# Altium PCB Slave.PcbDoc (part 8 of 10)
Units mm, origin at the board's own origin, x right, y up, seen from the top; angles counter-clockwise.
Board outline 380 x 63 mm, 4 copper layers (Top Copper, Signal Layer 1, Signal Layer 2, Bottom Copper), stack 1.586 mm thick; 259 components, 195 nets, 816 pads, 23336 vias.
Unrouted connection lines stored in the file: 47.
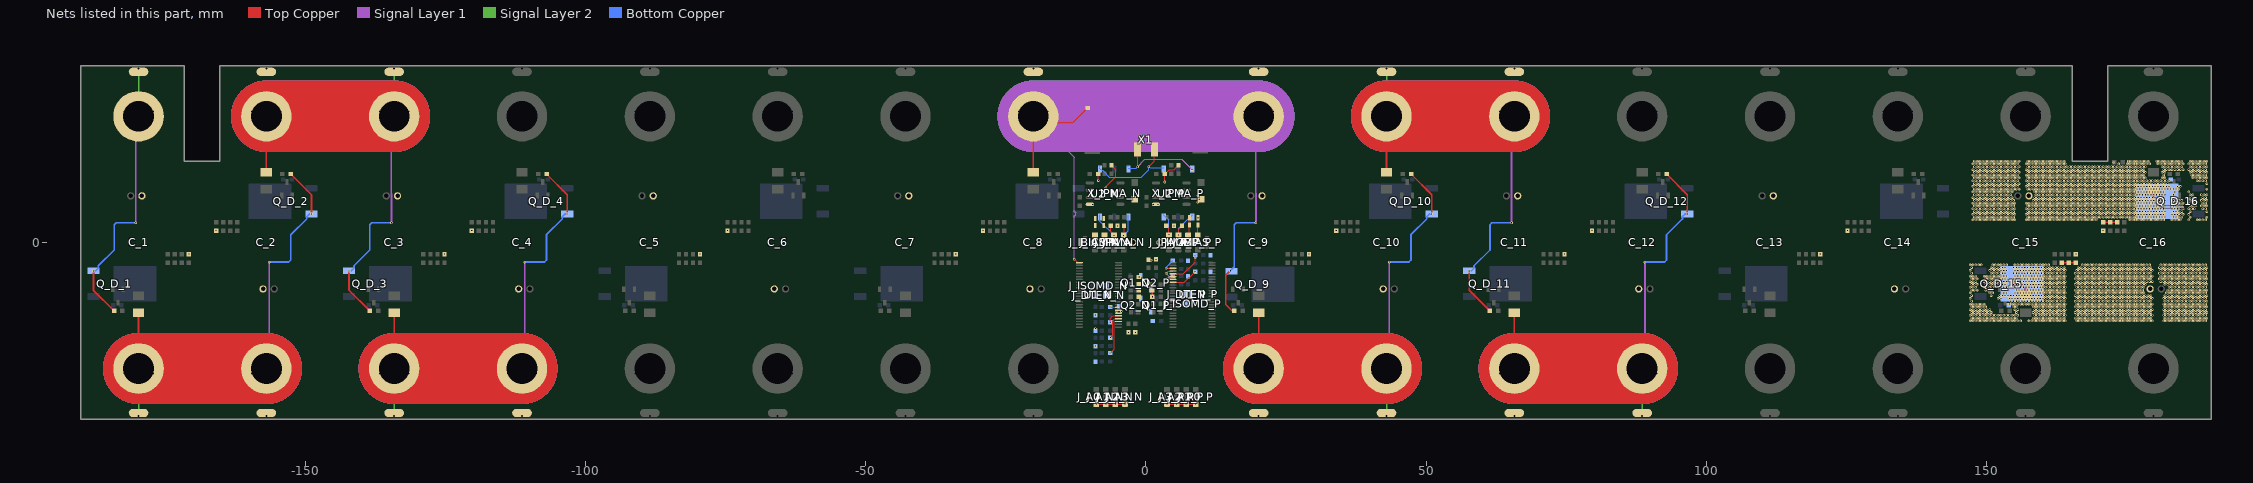
[diagram p10: the nets of this part, all layers, seen from the top]

## Via types
v1: diameter 0.45, hole 0.2, Top Copper to Bottom Copper, tented both sides, 23076 vias
v2: diameter 0.45, hole 0.2, Top Copper to Bottom Copper, 250 vias
v3: diameter 1.2, hole 0.8, Top Copper to Bottom Copper, 10 vias

## Nets (pads, with @x,y where several pads share a name; then routed paths per layer and width w, separated by ;. In a path a pad name is that pad's centre, name@x,y a point inside that pad or via, vN(x,y) a via of type N, cw(c..) or ccw(c..) an arc to the next point about the centre after c; other vN are vias at no path point) (continued)
F_15: C_V_15.2 F_V_15.2 PTC_15.2 Q_D_15.2 R_D_LED_15.2 R_Input_15.1 | length 3.9
  Top Copper w0.254: R_D_LED_15.2@163.35,-3.6 R_Input_15.1@164.6,-3.6 C_V_15.2@165.85,-3.6
  Top Copper w0.305: F_V_15.2@156.875,-9.48 v1@156.875,-8.1
  other v1: 146.999,-14 147.499,-14 147.999,-14 148.499,-14 148.999,-14 149.499,-14 149.999,-14 150.499,-14 150.999,-14 151.499,-14 151.999,-14 152.499,-14 152.999,-14 153.499,-14 153.999,-14 154.499,-14 154.999,-14 155.499,-14 155.999,-14 157.499,-14 157.999,-14 158.499,-14 158.999,-14 159.499,-14 159.999,-14 160.499,-14 160.999,-14 161.499,-14 161.999,-14 162.499,-14 162.999,-14 163.499,-14 163.999,-14 165.999,-14 166.499,-14 166.999,-14 167.499,-14 167.999,-14 168.499,-14 168.999,-14 169.499,-14 169.999,-14 170.499,-14 170.999,-14 171.499,-14 171.999,-14 172.499,-14 172.999,-14 173.499,-14 173.999,-14 174.499,-14 174.999,-14 175.499,-14 175.999,-14 176.499,-14 176.999,-14 177.499,-14 177.999,-14 178.499,-14 178.999,-14 179.499,-14 181.499,-14 181.999,-14 182.499,-14 182.999,-14 183.499,-14 183.999,-14 184.499,-14 184.999,-14 185.499,-14 185.999,-14 186.499,-14 186.999,-14 187.499,-14 187.999,-14 188.499,-14 188.999,-14 147.249,-13.5 147.749,-13.5 148.249,-13.5 148.749,-13.5 149.249,-13.5 149.749,-13.5 150.249,-13.5 150.749,-13.5 151.249,-13.5 151.749,-13.5 152.249,-13.5 152.749,-13.5 153.249,-13.5 153.749,-13.5 154.249,-13.5 154.749,-13.5 155.249,-13.5 158.249,-13.5 158.749,-13.5 159.249,-13.5 159.749,-13.5 160.249,-13.5 160.749,-13.5 161.249,-13.5 161.749,-13.5 162.249,-13.5 162.749,-13.5 163.249,-13.5 163.749,-13.5 165.749,-13.5 166.249,-13.5 166.749,-13.5 167.249,-13.5 167.749,-13.5 168.249,-13.5 168.749,-13.5 169.249,-13.5 169.749,-13.5 170.249,-13.5 170.749,-13.5 171.249,-13.5 171.749,-13.5 172.249,-13.5 172.749,-13.5 173.249,-13.5 173.749,-13.5 174.249,-13.5 174.749,-13.5 175.249,-13.5 175.749,-13.5 176.249,-13.5 176.749,-13.5 177.249,-13.5 177.749,-13.5 178.249,-13.5 178.749,-13.5 179.249,-13.5 181.749,-13.5 182.249,-13.5 182.749,-13.5 183.249,-13.5 183.749,-13.5 184.249,-13.5 184.749,-13.5 185.249,-13.5 185.749,-13.5 186.249,-13.5 186.749,-13.5 187.249,-13.5 187.749,-13.5 188.249,-13.5 188.749,-13.5 189.249,-13.5 146.999,-13 147.499,-13 147.999,-13 148.499,-13 148.999,-13 149.499,-13 149.999,-13 150.499,-13 150.999,-13 151.499,-13 151.999,-13 152.499,-13 152.999,-13 153.499,-13 153.999,-13 154.499,-13 154.999,-13 155.499,-13 158.499,-13 158.999,-13 159.499,-13 159.999,-13 160.499,-13 160.999,-13 161.499,-13 161.999,-13 162.499,-13 162.999,-13 163.499,-13 163.999,-13 165.999,-13 166.499,-13 166.999,-13 167.499,-13 167.999,-13 168.499,-13 168.999,-13 169.499,-13 169.999,-13 170.499,-13 170.999,-13 171.499,-13 171.999,-13 172.499,-13 172.999,-13 173.499,-13 173.999,-13 174.499,-13 174.999,-13 175.499,-13 175.999,-13 176.499,-13 176.999,-13 177.499,-13 177.999,-13 178.499,-13 178.999,-13 179.499,-13 181.499,-13 181.999,-13 182.499,-13 182.999,-13 183.499,-13 183.999,-13 184.499,-13 184.999,-13 185.499,-13 185.999,-13 186.499,-13 186.999,-13 187.499,-13 187.999,-13 188.499,-13 188.999,-13 147.249,-12.5 147.749,-12.5 148.249,-12.5 148.749,-12.5 149.249,-12.5 149.749,-12.5 150.249,-12.5 150.749,-12.5 155.249,-12.5 158.249,-12.5 158.749,-12.5 159.249,-12.5 159.749,-12.5 160.249,-12.5 160.749,-12.5 161.249,-12.5 161.749,-12.5 162.249,-12.5 162.749,-12.5 163.249,-12.5 163.749,-12.5 165.749,-12.5 166.249,-12.5 166.749,-12.5 167.249,-12.5 167.749,-12.5 168.249,-12.5 168.749,-12.5 169.249,-12.5 169.749,-12.5 170.249,-12.5 170.749,-12.5 171.249,-12.5 171.749,-12.5 172.249,-12.5 172.749,-12.5 173.249,-12.5 173.749,-12.5 174.249,-12.5 174.749,-12.5 175.249,-12.5 175.749,-12.5 176.249,-12.5 176.749,-12.5 177.249,-12.5 177.749,-12.5 178.249,-12.5 178.749,-12.5 179.249,-12.5 181.749,-12.5 182.249,-12.5 182.749,-12.5 183.249,-12.5 183.749,-12.5 184.249,-12.5 184.749,-12.5 185.249,-12.5 185.749,-12.5 186.249,-12.5 186.749,-12.5 187.249,-12.5 187.749,-12.5 188.249,-12.5 188.749,-12.5 189.249,-12.5 146.999,-12 147.499,-12 147.999,-12 148.499,-12 148.999,-12 149.499,-12 149.999,-12 150.499,-12 154.999,-12 155.499,-12 158.499,-12 158.999,-12 159.499,-12 159.999,-12 160.499,-12 160.999,-12 161.499,-12 161.999,-12 162.499,-12 162.999,-12 163.499,-12 163.999,-12 165.999,-12 166.499,-12 166.999,-12 167.499,-12 167.999,-12 168.499,-12 168.999,-12 169.499,-12 169.999,-12 170.499,-12 170.999,-12 171.499,-12 171.999,-12 172.499,-12 172.999,-12 173.499,-12 173.999,-12 174.499,-12 174.999,-12 175.499,-12 175.999,-12 176.499,-12 176.999,-12 177.499,-12 177.999,-12 178.499,-12 178.999,-12 179.499,-12 181.499,-12 181.999,-12 182.499,-12 182.999,-12 183.499,-12 183.999,-12 184.499,-12 184.999,-12 185.499,-12 185.999,-12 186.499,-12 186.999,-12 187.499,-12 187.999,-12 188.499,-12 188.999,-12 147.249,-11.5 147.749,-11.5 148.249,-11.5 148.749,-11.5 149.249,-11.5 149.749,-11.5 154.749,-11.5 155.249,-11.5 158.249,-11.5 158.749,-11.5 159.249,-11.5 159.749,-11.5 160.249,-11.5 160.749,-11.5 161.249,-11.5 161.749,-11.5 162.249,-11.5 162.749,-11.5 163.249,-11.5 163.749,-11.5 165.749,-11.5 166.249,-11.5 166.749,-11.5 167.249,-11.5 167.749,-11.5 168.249,-11.5 168.749,-11.5 169.249,-11.5 169.749,-11.5 170.249,-11.5 170.749,-11.5 171.249,-11.5 171.749,-11.5 172.249,-11.5 172.749,-11.5 173.249,-11.5 173.749,-11.5 174.249,-11.5 174.749,-11.5 175.249,-11.5 175.749,-11.5 176.249,-11.5 176.749,-11.5 177.249,-11.5 177.749,-11.5 178.249,-11.5 178.749,-11.5 179.249,-11.5 181.749,-11.5 182.249,-11.5 182.749,-11.5 183.249,-11.5 183.749,-11.5 184.249,-11.5 184.749,-11.5 185.249,-11.5 185.749,-11.5 186.249,-11.5 186.749,-11.5 187.249,-11.5 187.749,-11.5 188.249,-11.5 188.749,-11.5 189.249,-11.5 146.999,-11 147.499,-11 147.999,-11 148.499,-11 148.999,-11 149.499,-11 153.999,-11 154.499,-11 154.999,-11 155.499,-11 155.999,-11 156.499,-11 156.999,-11 157.499,-11 157.999,-11 158.499,-11 158.999,-11 159.499,-11 159.999,-11 160.499,-11 160.999,-11 161.499,-11 161.999,-11 162.499,-11 162.999,-11 163.499,-11 163.999,-11 165.999,-11 166.499,-11 166.999,-11 167.499,-11 167.999,-11 168.499,-11 168.999,-11 169.499,-11 169.999,-11 170.499,-11 170.999,-11 171.499,-11 171.999,-11 172.499,-11 172.999,-11 173.499,-11 173.999,-11 174.499,-11 174.999,-11 175.499,-11 175.999,-11 176.499,-11 176.999,-11 177.499,-11 177.999,-11 178.499,-11 178.999,-11 179.499,-11 181.499,-11 181.999,-11 182.499,-11 182.999,-11 183.499,-11 183.999,-11 184.499,-11 184.999,-11 185.499,-11 185.999,-11 186.499,-11 186.999,-11 187.499,-11 187.999,-11 188.499,-11 188.999,-11 147.249,-10.5 154.249,-10.5 154.749,-10.5 155.249,-10.5 155.749,-10.5 156.249,-10.5 156.749,-10.5 157.249,-10.5 157.749,-10.5 158.249,-10.5 158.749,-10.5 159.249,-10.5 159.749,-10.5 160.249,-10.5 160.749,-10.5 161.249,-10.5 161.749,-10.5 162.249,-10.5 162.749,-10.5 163.249,-10.5 163.749,-10.5 165.749,-10.5 166.249,-10.5 166.749,-10.5 167.249,-10.5 167.749,-10.5 168.249,-10.5 168.749,-10.5 169.249,-10.5 169.749,-10.5 170.249,-10.5 170.749,-10.5 171.249,-10.5 171.749,-10.5 172.249,-10.5 172.749,-10.5 173.249,-10.5 173.749,-10.5 174.249,-10.5 174.749,-10.5 175.249,-10.5 175.749,-10.5 176.249,-10.5 176.749,-10.5 177.249,-10.5 177.749,-10.5 178.249,-10.5 178.749,-10.5 179.249,-10.5 181.749,-10.5 182.249,-10.5 182.749,-10.5 183.249,-10.5 183.749,-10.5 184.249,-10.5 184.749,-10.5 185.249,-10.5 185.749,-10.5 186.249,-10.5 186.749,-10.5 187.249,-10.5 187.749,-10.5 188.249,-10.5 188.749,-10.5 189.249,-10.5 146.999,-10 151.999,-10 152.499,-10 153.999,-10 154.499,-10 154.999,-10 155.499,-10 155.999,-10 156.499,-10 156.999,-10 157.499,-10 157.999,-10 158.499,-10 158.999,-10 159.499,-10 159.999,-10 160.499,-10 160.999,-10 161.499,-10 161.999,-10 162.499,-10 162.999,-10 163.499,-10 163.999,-10 165.999,-10 166.499,-10 166.999,-10 167.499,-10 167.999,-10 168.499,-10 168.999,-10 169.499,-10 169.999,-10 170.499,-10 170.999,-10 171.499,-10 171.999,-10 172.499,-10 172.999,-10 173.499,-10 173.999,-10 174.499,-10 174.999,-10 175.499,-10 175.999,-10 176.499,-10 176.999,-10 177.499,-10 177.999,-10 178.499,-10 178.999,-10 179.499,-10 181.499,-10 181.999,-10 182.499,-10 182.999,-10 183.499,-10 183.999,-10 184.499,-10 184.999,-10 185.499,-10 185.999,-10 186.499,-10 186.999,-10 187.499,-10 187.999,-10 188.499,-10 188.999,-10 147.249,-9.5 150.749,-9.5 152.249,-9.5 152.749,-9.5 153.249,-9.5 153.749,-9.5 154.249,-9.5 154.749,-9.5 155.249,-9.5 155.749,-9.5 156.249,-9.5 156.749,-9.5 157.249,-9.5 157.749,-9.5 158.249,-9.5 158.749,-9.5 159.249,-9.5 159.749,-9.5 160.249,-9.5 160.749,-9.5 161.249,-9.5 161.749,-9.5 162.249,-9.5 162.749,-9.5 163.249,-9.5 163.749,-9.5 165.749,-9.5 166.249,-9.5 166.749,-9.5 167.249,-9.5 167.749,-9.5 168.249,-9.5 168.749,-9.5 169.249,-9.5 169.749,-9.5 170.249,-9.5 170.749,-9.5 171.249,-9.5 171.749,-9.5 172.249,-9.5 172.749,-9.5 173.249,-9.5 173.749,-9.5 174.249,-9.5 174.749,-9.5 175.249,-9.5 175.749,-9.5 176.249,-9.5 176.749,-9.5 177.249,-9.5 177.749,-9.5 178.249,-9.5 178.749,-9.5 179.249,-9.5 181.749,-9.5 182.249,-9.5 182.749,-9.5 183.249,-9.5 183.749,-9.5 184.249,-9.5 184.749,-9.5 185.249,-9.5 185.749,-9.5 186.249,-9.5 186.749,-9.5 187.249,-9.5 187.749,-9.5 188.249,-9.5 188.749,-9.5 189.249,-9.5 146.999,-9 150.499,-9 150.999,-9 152.999,-9 153.499,-9 154.999,-9 155.499,-9 155.999,-9 156.499,-9 156.999,-9 157.499,-9 157.999,-9 158.499,-9 158.999,-9 159.499,-9 159.999,-9 160.499,-9 160.999,-9 161.499,-9 161.999,-9 162.499,-9 162.999,-9 163.499,-9 163.999,-9 165.999,-9 166.499,-9 166.999,-9 167.499,-9 167.999,-9 168.499,-9 168.999,-9 169.499,-9 169.999,-9 170.499,-9 170.999,-9 171.499,-9 171.999,-9 172.499,-9 172.999,-9 173.499,-9 173.999,-9 174.499,-9 174.999,-9 175.499,-9 175.999,-9 176.499,-9 176.999,-9 177.499,-9 177.999,-9 181.999,-9 182.499,-9 182.999,-9 183.499,-9 183.999,-9 184.499,-9 184.999,-9 185.499,-9 185.999,-9 186.499,-9 186.999,-9 187.499,-9 187.999,-9 188.499,-9 188.999,-9 147.249,-8.5 147.749,-8.5 148.249,-8.5 149.749,-8.5 150.249,-8.5 150.749,-8.5 153.249,-8.5 155.249,-8.5 155.749,-8.5 156.249,-8.5 156.749,-8.5 157.249,-8.5 157.749,-8.5 158.249,-8.5 158.749,-8.5 159.249,-8.5 159.749,-8.5 160.249,-8.5 160.749,-8.5 161.249,-8.5 161.749,-8.5 162.249,-8.5 162.749,-8.5 163.249,-8.5 163.749,-8.5 165.749,-8.5 166.249,-8.5 166.749,-8.5 167.249,-8.5 167.749,-8.5 168.249,-8.5 168.749,-8.5 169.249,-8.5 169.749,-8.5 170.249,-8.5 170.749,-8.5 171.249,-8.5 171.749,-8.5 172.249,-8.5 172.749,-8.5 173.249,-8.5 173.749,-8.5 174.249,-8.5 174.749,-8.5 175.249,-8.5 175.749,-8.5 176.249,-8.5 176.749,-8.5 177.249,-8.5 177.749,-8.5 182.249,-8.5 182.749,-8.5 183.249,-8.5 183.749,-8.5 184.249,-8.5 184.749,-8.5 185.249,-8.5 185.749,-8.5 186.249,-8.5 186.749,-8.5 187.249,-8.5 187.749,-8.5 188.249,-8.5 188.749,-8.5 189.249,-8.5 146.999,-8 147.499,-8 147.999,-8 149.499,-8 149.999,-8 150.499,-8 150.999,-8 152.999,-8 153.499,-8 154.999,-8 155.499,-8 155.999,-8 156.499,-8 156.999,-8 157.499,-8 157.999,-8 158.499,-8 158.999,-8 159.499,-8 159.999,-8 160.499,-8 160.999,-8 161.499,-8 161.999,-8 162.499,-8 162.999,-8 163.499,-8 163.999,-8 165.999,-8 166.499,-8 166.999,-8 167.499,-8 167.999,-8 168.499,-8 168.999,-8 169.499,-8 169.999,-8 170.499,-8 170.999,-8 171.499,-8 171.999,-8 172.499,-8 172.999,-8 173.499,-8 173.999,-8 174.499,-8 174.999,-8 175.499,-8 175.999,-8 176.499,-8 176.999,-8 177.499,-8 177.999,-8 182.499,-8 182.999,-8 183.499,-8 183.999,-8 184.499,-8 184.999,-8 185.499,-8 185.999,-8 186.499,-8 186.999,-8 187.499,-8 187.999,-8 188.499,-8 188.999,-8 147.249,-7.5 147.749,-7.5 148.249,-7.5 149.749,-7.5 150.249,-7.5 150.749,-7.5 151.249,-7.5 151.749,-7.5 152.249,-7.5 152.749,-7.5 153.249,-7.5 154.749,-7.5 155.249,-7.5 155.749,-7.5 156.249,-7.5 156.749,-7.5 157.249,-7.5 157.749,-7.5 158.249,-7.5 158.749,-7.5 159.249,-7.5 159.749,-7.5 160.249,-7.5 160.749,-7.5 161.249,-7.5 161.749,-7.5 162.249,-7.5 162.749,-7.5 163.249,-7.5 163.749,-7.5 165.749,-7.5 166.249,-7.5 166.749,-7.5 167.249,-7.5 167.749,-7.5 168.249,-7.5 168.749,-7.5 169.249,-7.5 169.749,-7.5 170.249,-7.5 170.749,-7.5 171.249,-7.5 171.749,-7.5 172.249,-7.5 172.749,-7.5 173.249,-7.5 173.749,-7.5 174.249,-7.5 174.749,-7.5 175.249,-7.5 175.749,-7.5 176.249,-7.5 176.749,-7.5 177.249,-7.5 177.749,-7.5 178.249,-7.5 181.749,-7.5 182.249,-7.5 182.749,-7.5 183.249,-7.5 183.749,-7.5 184.249,-7.5 184.749,-7.5 185.249,-7.5 185.749,-7.5 186.249,-7.5 186.749,-7.5 187.249,-7.5 187.749,-7.5 188.249,-7.5 188.749,-7.5 189.249,-7.5 146.999,-7 147.499,-7 147.999,-7 149.499,-7 149.999,-7 150.499,-7 150.999,-7 151.499,-7 151.999,-7 152.499,-7 152.999,-7 153.499,-7 154.999,-7 155.499,-7 155.999,-7 156.499,-7 156.999,-7 157.499,-7 157.999,-7 158.499,-7 158.999,-7 159.499,-7 159.999,-7 160.499,-7 160.999,-7 161.499,-7 161.999,-7 162.499,-7 162.999,-7 163.499,-7 163.999,-7 165.999,-7 166.499,-7 166.999,-7 167.499,-7 167.999,-7 168.499,-7 168.999,-7 169.499,-7 169.999,-7 170.499,-7 170.999,-7 171.499,-7 171.999,-7 172.499,-7 172.999,-7 173.499,-7 173.999,-7 174.499,-7 174.999,-7 175.499,-7 175.999,-7 176.499,-7 176.999,-7 177.499,-7 177.999,-7 178.499,-7 178.999,-7 179.499,-7 180.999,-7 181.499,-7 181.999,-7 182.499,-7 182.999,-7 183.499,-7 183.999,-7 184.499,-7 184.999,-7 185.499,-7 185.999,-7 186.499,-7 186.999,-7 187.499,-7 187.999,-7 188.499,-7 188.999,-7 147.249,-6.5 147.749,-6.5 148.249,-6.5 149.749,-6.5 150.249,-6.5 150.749,-6.5 151.249,-6.5 151.749,-6.5 152.249,-6.5 152.749,-6.5 153.249,-6.5 154.749,-6.5 155.249,-6.5 155.749,-6.5 156.249,-6.5 156.749,-6.5 157.249,-6.5 157.749,-6.5 158.249,-6.5 158.749,-6.5 159.249,-6.5 159.749,-6.5 160.249,-6.5 160.749,-6.5 161.249,-6.5 161.749,-6.5 162.249,-6.5 162.749,-6.5 163.249,-6.5 163.749,-6.5 165.749,-6.5 166.249,-6.5 166.749,-6.5 167.249,-6.5 167.749,-6.5 168.249,-6.5 168.749,-6.5 169.249,-6.5 169.749,-6.5 170.249,-6.5 170.749,-6.5 171.249,-6.5 171.749,-6.5 172.249,-6.5 172.749,-6.5 173.249,-6.5 173.749,-6.5 174.249,-6.5 174.749,-6.5 175.249,-6.5 175.749,-6.5 176.249,-6.5 176.749,-6.5 177.249,-6.5 177.749,-6.5 178.249,-6.5 178.749,-6.5 179.249,-6.5 180.749,-6.5 181.249,-6.5 181.749,-6.5 182.249,-6.5 182.749,-6.5 183.249,-6.5 183.749,-6.5 184.249,-6.5 184.749,-6.5 185.249,-6.5 185.749,-6.5 186.249,-6.5 186.749,-6.5 187.249,-6.5 187.749,-6.5 188.249,-6.5 188.749,-6.5 189.249,-6.5 146.999,-6 147.499,-6 147.999,-6 149.499,-6 149.999,-6 150.499,-6 150.999,-6 151.499,-6 151.999,-6 152.499,-6 152.999,-6 153.499,-6 154.999,-6 155.499,-6 155.999,-6 156.499,-6 156.999,-6 157.499,-6 157.999,-6 158.499,-6 158.999,-6 159.499,-6 159.999,-6 160.499,-6 160.999,-6 161.499,-6 161.999,-6 162.499,-6 162.999,-6 163.499,-6 163.999,-6 165.999,-6 166.499,-6 166.999,-6 167.499,-6 167.999,-6 168.499,-6 168.999,-6 169.499,-6 169.999,-6 170.499,-6 170.999,-6 171.499,-6 171.999,-6 172.499,-6 172.999,-6 173.499,-6 173.999,-6 174.499,-6 174.999,-6 175.499,-6 175.999,-6 176.499,-6 176.999,-6 177.499,-6 177.999,-6 178.499,-6 178.999,-6 179.499,-6 180.999,-6 181.499,-6 181.999,-6 182.499,-6 182.999,-6 183.499,-6 183.999,-6 184.499,-6 184.999,-6 185.499,-6 185.999,-6 186.499,-6 186.999,-6 187.499,-6 187.999,-6 188.499,-6 188.999,-6 147.249,-5.5 150.749,-5.5 151.249,-5.5 151.749,-5.5 152.249,-5.5 152.749,-5.5 153.249,-5.5 154.749,-5.5 155.249,-5.5 155.749,-5.5 156.249,-5.5 156.749,-5.5 157.249,-5.5 157.749,-5.5 158.249,-5.5 158.749,-5.5 159.249,-5.5 159.749,-5.5 160.249,-5.5 160.749,-5.5 161.249,-5.5 161.749,-5.5 162.249,-5.5 162.749,-5.5 163.249,-5.5 163.749,-5.5 165.749,-5.5 166.249,-5.5 166.749,-5.5 167.249,-5.5 167.749,-5.5 168.249,-5.5 168.749,-5.5 169.249,-5.5 169.749,-5.5 170.249,-5.5 170.749,-5.5 171.249,-5.5 171.749,-5.5 172.249,-5.5 172.749,-5.5 173.249,-5.5 173.749,-5.5 174.249,-5.5 174.749,-5.5 175.249,-5.5 175.749,-5.5 176.249,-5.5 176.749,-5.5 177.249,-5.5 177.749,-5.5 178.249,-5.5 178.749,-5.5 179.249,-5.5 180.749,-5.5 181.249,-5.5 181.749,-5.5 182.249,-5.5 182.749,-5.5 183.249,-5.5 183.749,-5.5 184.249,-5.5 184.749,-5.5 185.249,-5.5 185.749,-5.5 186.249,-5.5 186.749,-5.5 187.249,-5.5 187.749,-5.5 188.249,-5.5 188.749,-5.5 189.249,-5.5 146.999,-5 150.499,-5 150.999,-5 151.499,-5 151.999,-5 152.499,-5 152.999,-5 153.499,-5 154.999,-5 155.499,-5 155.999,-5 156.499,-5 156.999,-5 157.499,-5 157.999,-5 158.499,-5 158.999,-5 159.499,-5 159.999,-5 160.499,-5 160.999,-5 161.499,-5 161.999,-5 162.499,-5 162.999,-5 163.499,-5 163.999,-5 165.999,-5 166.499,-5 166.999,-5 167.499,-5 167.999,-5 168.499,-5 168.999,-5 169.499,-5 169.999,-5 170.499,-5 170.999,-5 171.499,-5 171.999,-5 172.499,-5 172.999,-5 173.499,-5 173.999,-5 174.499,-5 174.999,-5 175.499,-5 175.999,-5 176.499,-5 176.999,-5 177.499,-5 177.999,-5 178.499,-5 178.999,-5 179.499,-5 180.999,-5 181.499,-5 181.999,-5 182.499,-5 182.999,-5 183.499,-5 183.999,-5 184.499,-5 184.999,-5 185.499,-5 185.999,-5 186.499,-5 186.999,-5 187.499,-5 187.999,-5 188.499,-5 188.999,-5 147.249,-4.5 150.749,-4.5 151.249,-4.5 151.749,-4.5 152.249,-4.5 152.749,-4.5 153.249,-4.5 154.749,-4.5 155.249,-4.5 155.749,-4.5 156.249,-4.5 156.749,-4.5 157.249,-4.5 157.749,-4.5 158.249,-4.5 158.749,-4.5 159.249,-4.5 159.749,-4.5 160.249,-4.5 160.749,-4.5 161.249,-4.5 161.749,-4.5 162.249,-4.5 162.749,-4.5 163.249,-4.5 163.749,-4.5 166.249,-4.5 166.749,-4.5 167.249,-4.5 167.749,-4.5 168.249,-4.5 168.749,-4.5 169.249,-4.5 169.749,-4.5 170.249,-4.5 170.749,-4.5 171.249,-4.5 171.749,-4.5 172.249,-4.5 172.749,-4.5 173.249,-4.5 173.749,-4.5 174.249,-4.5 174.749,-4.5 175.249,-4.5 175.749,-4.5 176.249,-4.5 176.749,-4.5 177.249,-4.5 177.749,-4.5 178.249,-4.5 178.749,-4.5 179.249,-4.5 180.749,-4.5 181.249,-4.5 181.749,-4.5 182.249,-4.5 182.749,-4.5 183.249,-4.5 183.749,-4.5 184.249,-4.5 184.749,-4.5 185.249,-4.5 185.749,-4.5 186.249,-4.5 186.749,-4.5 187.249,-4.5 187.749,-4.5 188.249,-4.5 188.749,-4.5 189.249,-4.5 146.999,-4 147.499,-4 147.999,-4 148.499,-4 148.999,-4 150.999,-4 151.499,-4 151.999,-4 152.499,-4 152.999,-4 153.499,-4 154.999,-4 155.499,-4 155.999,-4 156.499,-4 156.999,-4 157.499,-4 157.999,-4 158.499,-4 158.999,-4 159.499,-4 159.999,-4 160.499,-4 160.999,-4 166.999,-4 167.499,-4 167.999,-4 168.499,-4 168.999,-4 169.499,-4 169.999,-4 170.499,-4 170.999,-4 171.499,-4 171.999,-4 172.499,-4 172.999,-4 173.499,-4 173.999,-4 174.499,-4 174.999,-4 175.499,-4 175.999,-4 176.499,-4 176.999,-4 177.499,-4 177.999,-4 178.499,-4 178.999,-4 180.999,-4 181.499,-4 181.999,-4 182.499,-4 182.999,-4 183.499,-4 183.999,-4 184.499,-4 184.999,-4 185.499,-4 185.999,-4 186.499,-4 186.999,-4 187.499,-4 187.999,-4 188.499,-4 188.999,-4
F_16: C_V_16.2 F_V_16.2 PTC_16.2 Q_D_16.2 R_D_LED_16.2 R_Input_16.1 | length 3.9
  Top Copper w0.254: C_V_16.2@170.75,3.6 R_Input_16.1@172,3.6 R_D_LED_16.2@173.25,3.6
  Top Copper w0.305: 179.725,8.1 F_V_16.2@179.725,9.48
  other v1: 147.499,4 147.999,4 148.499,4 148.999,4 149.499,4 149.999,4 150.499,4 150.999,4 151.499,4 151.999,4 152.499,4 152.999,4 153.499,4 153.999,4 154.499,4 154.999,4 156.999,4 157.499,4 157.999,4 158.499,4 158.999,4 159.499,4 159.999,4 160.499,4 160.999,4 161.499,4 161.999,4 162.499,4 162.999,4 163.499,4 163.999,4 164.499,4 164.999,4 165.499,4 165.999,4 166.499,4 166.999,4 167.499,4 167.999,4 168.499,4 168.999,4 169.499,4 175.499,4 175.999,4 176.499,4 176.999,4 177.499,4 177.999,4 178.499,4 178.999,4 179.499,4 179.999,4 180.499,4 180.999,4 181.499,4 182.999,4 183.499,4 183.999,4 184.499,4 185.999,4 187.499,4 187.999,4 188.499,4 188.999,4 147.749,4.5 148.249,4.5 148.749,4.5 149.249,4.5 149.749,4.5 150.249,4.5 150.749,4.5 151.249,4.5 151.749,4.5 152.249,4.5 152.749,4.5 153.249,4.5 153.749,4.5 154.249,4.5 154.749,4.5 157.249,4.5 157.749,4.5 158.249,4.5 158.749,4.5 159.249,4.5 159.749,4.5 160.249,4.5 160.749,4.5 161.249,4.5 161.749,4.5 162.249,4.5 162.749,4.5 163.249,4.5 163.749,4.5 164.249,4.5 164.749,4.5 165.249,4.5 165.749,4.5 166.249,4.5 166.749,4.5 167.249,4.5 167.749,4.5 168.249,4.5 168.749,4.5 169.249,4.5 169.749,4.5 170.249,4.5 170.749,4.5 171.249,4.5 171.749,4.5 172.249,4.5 172.749,4.5 173.249,4.5 173.749,4.5 174.249,4.5 174.749,4.5 175.249,4.5 175.749,4.5 176.249,4.5 176.749,4.5 177.249,4.5 177.749,4.5 178.249,4.5 178.749,4.5 179.249,4.5 179.749,4.5 180.249,4.5 180.749,4.5 181.249,4.5 181.749,4.5 183.249,4.5 183.749,4.5 184.249,4.5 184.749,4.5 186.249,4.5 189.249,4.5 147.499,5 147.999,5 148.499,5 148.999,5 149.499,5 149.999,5 150.499,5 150.999,5 151.499,5 151.999,5 152.499,5 152.999,5 153.499,5 153.999,5 154.499,5 154.999,5 156.999,5 157.499,5 157.999,5 158.499,5 158.999,5 159.499,5 159.999,5 160.499,5 160.999,5 161.499,5 161.999,5 162.499,5 162.999,5 163.499,5 163.999,5 164.499,5 164.999,5 165.499,5 165.999,5 166.499,5 166.999,5 167.499,5 167.999,5 168.499,5 168.999,5 169.499,5 169.999,5 170.499,5 170.999,5 171.499,5 171.999,5 172.499,5 172.999,5 173.499,5 173.999,5 174.499,5 174.999,5 175.499,5 175.999,5 176.499,5 176.999,5 177.499,5 177.999,5 178.499,5 178.999,5 179.499,5 179.999,5 180.499,5 180.999,5 181.499,5 182.999,5 183.499,5 183.999,5 184.499,5 184.999,5 185.999,5 147.749,5.5 148.249,5.5 148.749,5.5 149.249,5.5 149.749,5.5 150.249,5.5 150.749,5.5 151.249,5.5 151.749,5.5 152.249,5.5 152.749,5.5 153.249,5.5 153.749,5.5 154.249,5.5 154.749,5.5 157.249,5.5 157.749,5.5 158.249,5.5 158.749,5.5 159.249,5.5 159.749,5.5 160.249,5.5 160.749,5.5 161.249,5.5 161.749,5.5 162.249,5.5 162.749,5.5 163.249,5.5 163.749,5.5 164.249,5.5 164.749,5.5 165.249,5.5 165.749,5.5 166.249,5.5 166.749,5.5 167.249,5.5 167.749,5.5 168.249,5.5 168.749,5.5 169.249,5.5 169.749,5.5 170.249,5.5 170.749,5.5 171.249,5.5 171.749,5.5 172.249,5.5 172.749,5.5 173.249,5.5 173.749,5.5 174.249,5.5 174.749,5.5 175.249,5.5 175.749,5.5 176.249,5.5 176.749,5.5 177.249,5.5 177.749,5.5 178.249,5.5 178.749,5.5 179.249,5.5 179.749,5.5 180.249,5.5 180.749,5.5 181.249,5.5 181.749,5.5 183.249,5.5 183.749,5.5 184.249,5.5 184.749,5.5 186.249,5.5 189.249,5.5 147.499,6 147.999,6 148.499,6 148.999,6 149.499,6 149.999,6 150.499,6 150.999,6 151.499,6 151.999,6 152.499,6 152.999,6 153.499,6 153.999,6 154.499,6 154.999,6 156.999,6 157.499,6 157.999,6 158.499,6 158.999,6 159.499,6 159.999,6 160.499,6 160.999,6 161.499,6 161.999,6 162.499,6 162.999,6 163.499,6 163.999,6 164.499,6 164.999,6 165.499,6 165.999,6 166.499,6 166.999,6 167.499,6 167.999,6 168.499,6 168.999,6 169.499,6 169.999,6 170.499,6 170.999,6 171.499,6 171.999,6 172.499,6 172.999,6 173.499,6 173.999,6 174.499,6 174.999,6 175.499,6 175.999,6 176.499,6 176.999,6 177.499,6 177.999,6 178.499,6 178.999,6 179.499,6 179.999,6 180.499,6 180.999,6 181.499,6 182.999,6 183.499,6 183.999,6 184.499,6 184.999,6 185.999,6 186.499,6 186.999,6 188.499,6 188.999,6 147.749,6.5 148.249,6.5 148.749,6.5 149.249,6.5 149.749,6.5 150.249,6.5 150.749,6.5 151.249,6.5 151.749,6.5 152.249,6.5 152.749,6.5 153.249,6.5 153.749,6.5 154.249,6.5 154.749,6.5 157.249,6.5 157.749,6.5 158.249,6.5 158.749,6.5 159.249,6.5 159.749,6.5 160.249,6.5 160.749,6.5 161.249,6.5 161.749,6.5 162.249,6.5 162.749,6.5 163.249,6.5 163.749,6.5 164.249,6.5 164.749,6.5 165.249,6.5 165.749,6.5 166.249,6.5 166.749,6.5 167.249,6.5 167.749,6.5 168.249,6.5 168.749,6.5 169.249,6.5 169.749,6.5 170.249,6.5 170.749,6.5 171.249,6.5 171.749,6.5 172.249,6.5 172.749,6.5 173.249,6.5 173.749,6.5 174.249,6.5 174.749,6.5 175.249,6.5 175.749,6.5 176.249,6.5 176.749,6.5 177.249,6.5 177.749,6.5 178.249,6.5 178.749,6.5 179.249,6.5 179.749,6.5 180.249,6.5 180.749,6.5 181.249,6.5 181.749,6.5 183.249,6.5 183.749,6.5 184.249,6.5 184.749,6.5 186.249,6.5 186.749,6.5 187.249,6.5 188.249,6.5 188.749,6.5 189.249,6.5 147.499,7 147.999,7 148.499,7 148.999,7 149.499,7 149.999,7 150.499,7 150.999,7 151.499,7 151.999,7 152.499,7 152.999,7 153.499,7 153.999,7 154.499,7 154.999,7 156.999,7 157.499,7 157.999,7 158.499,7 158.999,7 159.499,7 159.999,7 160.499,7 160.999,7 161.499,7 161.999,7 162.499,7 162.999,7 163.499,7 163.999,7 164.499,7 164.999,7 165.499,7 165.999,7 166.499,7 166.999,7 167.499,7 167.999,7 168.499,7 168.999,7 169.499,7 169.999,7 170.499,7 170.999,7 171.499,7 171.999,7 172.499,7 172.999,7 173.499,7 173.999,7 174.499,7 174.999,7 175.499,7 175.999,7 176.499,7 176.999,7 177.499,7 177.999,7 178.499,7 178.999,7 179.499,7 179.999,7 180.499,7 180.999,7 181.499,7 182.999,7 183.499,7 183.999,7 184.499,7 184.999,7 185.999,7 186.499,7 186.999,7 188.499,7 188.999,7 147.749,7.5 148.249,7.5 148.749,7.5 149.249,7.5 149.749,7.5 150.249,7.5 150.749,7.5 151.249,7.5 151.749,7.5 152.249,7.5 152.749,7.5 153.249,7.5 153.749,7.5 154.249,7.5 154.749,7.5 158.249,7.5 158.749,7.5 159.249,7.5 159.749,7.5 160.249,7.5 160.749,7.5 161.249,7.5 161.749,7.5 162.249,7.5 162.749,7.5 163.249,7.5 163.749,7.5 164.249,7.5 164.749,7.5 165.249,7.5 165.749,7.5 166.249,7.5 166.749,7.5 167.249,7.5 167.749,7.5 168.249,7.5 168.749,7.5 169.249,7.5 169.749,7.5 170.249,7.5 170.749,7.5 171.249,7.5 171.749,7.5 172.249,7.5 172.749,7.5 173.249,7.5 173.749,7.5 174.249,7.5 174.749,7.5 175.249,7.5 175.749,7.5 176.249,7.5 176.749,7.5 177.249,7.5 177.749,7.5 178.249,7.5 178.749,7.5 179.249,7.5 179.749,7.5 180.249,7.5 180.749,7.5 181.249,7.5 181.749,7.5 183.249,7.5 183.749,7.5 184.249,7.5 184.749,7.5 186.249,7.5 186.749,7.5 187.249,7.5 188.249,7.5 188.749,7.5 189.249,7.5 147.499,8 147.999,8 148.499,8 148.999,8 149.499,8 149.999,8 150.499,8 150.999,8 151.499,8 151.999,8 152.499,8 152.999,8 153.499,8 153.999,8 154.499,8 158.499,8 158.999,8 159.499,8 159.999,8 160.499,8 160.999,8 161.499,8 161.999,8 162.499,8 162.999,8 163.499,8 163.999,8 164.499,8 164.999,8 165.499,8 165.999,8 166.499,8 166.999,8 167.499,8 167.999,8 168.499,8 168.999,8 169.499,8 169.999,8 170.499,8 170.999,8 171.499,8 171.999,8 172.499,8 172.999,8 173.499,8 173.999,8 174.499,8 174.999,8 175.499,8 175.999,8 176.499,8 176.999,8 177.499,8 177.999,8 178.499,8 178.999,8 179.499,8 179.999,8 180.499,8 180.999,8 181.499,8 183.499,8 185.999,8 186.499,8 186.999,8 188.499,8 188.999,8 147.749,8.5 148.249,8.5 148.749,8.5 149.249,8.5 149.749,8.5 150.249,8.5 150.749,8.5 151.249,8.5 151.749,8.5 152.249,8.5 152.749,8.5 153.249,8.5 153.749,8.5 154.249,8.5 158.749,8.5 159.249,8.5 159.749,8.5 160.249,8.5 160.749,8.5 161.249,8.5 161.749,8.5 162.249,8.5 162.749,8.5 163.249,8.5 163.749,8.5 164.249,8.5 164.749,8.5 165.249,8.5 165.749,8.5 166.249,8.5 166.749,8.5 167.249,8.5 167.749,8.5 168.249,8.5 168.749,8.5 169.249,8.5 169.749,8.5 170.249,8.5 170.749,8.5 171.249,8.5 171.749,8.5 172.249,8.5 172.749,8.5 173.249,8.5 173.749,8.5 174.249,8.5 174.749,8.5 175.249,8.5 175.749,8.5 176.249,8.5 176.749,8.5 177.249,8.5 177.749,8.5 178.249,8.5 178.749,8.5 179.249,8.5 179.749,8.5 180.249,8.5 180.749,8.5 181.249,8.5 181.749,8.5 183.249,8.5 186.249,8.5 186.749,8.5 188.249,8.5 188.749,8.5 189.249,8.5 147.499,9 147.999,9 148.499,9 148.999,9 149.499,9 149.999,9 150.499,9 150.999,9 151.499,9 151.999,9 152.499,9 152.999,9 153.499,9 153.999,9 154.499,9 158.499,9 158.999,9 159.499,9 159.999,9 160.499,9 160.999,9 161.499,9 161.999,9 162.499,9 162.999,9 163.499,9 163.999,9 164.499,9 164.999,9 165.499,9 165.999,9 166.499,9 166.999,9 167.499,9 167.999,9 168.499,9 168.999,9 169.499,9 169.999,9 170.499,9 170.999,9 171.499,9 171.999,9 172.499,9 172.999,9 173.499,9 173.999,9 174.499,9 174.999,9 175.499,9 175.999,9 176.499,9 176.999,9 177.499,9 177.999,9 178.499,9 178.999,9 179.499,9 179.999,9 180.499,9 180.999,9 181.499,9 183.499,9 185.999,9 147.749,9.5 148.249,9.5 148.749,9.5 149.249,9.5 149.749,9.5 150.249,9.5 150.749,9.5 151.249,9.5 151.749,9.5 152.249,9.5 152.749,9.5 153.249,9.5 153.749,9.5 154.249,9.5 154.749,9.5 155.249,9.5 155.749,9.5 157.249,9.5 157.749,9.5 158.249,9.5 158.749,9.5 159.249,9.5 159.749,9.5 160.249,9.5 160.749,9.5 161.249,9.5 161.749,9.5 162.249,9.5 162.749,9.5 163.249,9.5 163.749,9.5 164.249,9.5 164.749,9.5 165.249,9.5 165.749,9.5 166.249,9.5 166.749,9.5 167.249,9.5 167.749,9.5 168.249,9.5 168.749,9.5 169.249,9.5 169.749,9.5 170.249,9.5 170.749,9.5 171.249,9.5 171.749,9.5 172.249,9.5 172.749,9.5 173.249,9.5 173.749,9.5 174.249,9.5 174.749,9.5 175.249,9.5 175.749,9.5 176.249,9.5 176.749,9.5 177.249,9.5 177.749,9.5 178.249,9.5 178.749,9.5 179.249,9.5 179.749,9.5 180.249,9.5 180.749,9.5 181.249,9.5 181.749,9.5 182.249,9.5 182.749,9.5 183.249,9.5 183.749,9.5 184.249,9.5 189.249,9.5 147.499,10 147.999,10 148.499,10 148.999,10 149.499,10 149.999,10 150.499,10 150.999,10 151.499,10 151.999,10 152.499,10 152.999,10 153.499,10 153.999,10 154.499,10 154.999,10 155.499,10 156.999,10 157.499,10 157.999,10 158.499,10 158.999,10 159.499,10 159.999,10 160.499,10 160.999,10 161.499,10 161.999,10 162.499,10 162.999,10 163.499,10 163.999,10 164.499,10 164.999,10 165.499,10 165.999,10 166.499,10 166.999,10 167.499,10 167.999,10 168.499,10 168.999,10 169.499,10 169.999,10 170.499,10 170.999,10 171.499,10 171.999,10 172.499,10 172.999,10 173.499,10 173.999,10 174.499,10 174.999,10 175.499,10 175.999,10 176.499,10 176.999,10 177.499,10 177.999,10 178.499,10 178.999,10 179.499,10 179.999,10 180.499,10 180.999,10 181.499,10 181.999,10 182.499,10 183.999,10 184.499,10 147.749,10.5 148.249,10.5 148.749,10.5 149.249,10.5 149.749,10.5 150.249,10.5 150.749,10.5 151.249,10.5 151.749,10.5 152.249,10.5 152.749,10.5 153.249,10.5 153.749,10.5 154.249,10.5 154.749,10.5 155.249,10.5 155.749,10.5 157.249,10.5 157.749,10.5 158.249,10.5 158.749,10.5 159.249,10.5 159.749,10.5 160.249,10.5 160.749,10.5 161.249,10.5 161.749,10.5 162.249,10.5 162.749,10.5 163.249,10.5 163.749,10.5 164.249,10.5 164.749,10.5 165.249,10.5 165.749,10.5 166.249,10.5 166.749,10.5 167.249,10.5 167.749,10.5 168.249,10.5 168.749,10.5 169.249,10.5 169.749,10.5 170.249,10.5 170.749,10.5 171.249,10.5 171.749,10.5 172.249,10.5 172.749,10.5 173.249,10.5 173.749,10.5 174.249,10.5 174.749,10.5 175.249,10.5 175.749,10.5 176.249,10.5 176.749,10.5 177.249,10.5 177.749,10.5 178.249,10.5 178.749,10.5 179.249,10.5 179.749,10.5 180.249,10.5 180.749,10.5 181.249,10.5 181.749,10.5 182.249,10.5 189.249,10.5 147.499,11 147.999,11 148.499,11 148.999,11 149.499,11 149.999,11 150.499,11 150.999,11 151.499,11 151.999,11 152.499,11 152.999,11 153.499,11 153.999,11 154.499,11 154.999,11 155.499,11 156.999,11 157.499,11 157.999,11 158.499,11 158.999,11 159.499,11 159.999,11 160.499,11 160.999,11 161.499,11 161.999,11 162.499,11 162.999,11 163.499,11 163.999,11 164.499,11 164.999,11 165.499,11 165.999,11 166.499,11 166.999,11 167.499,11 167.999,11 168.499,11 168.999,11 169.499,11 169.999,11 170.499,11 170.999,11 171.499,11 171.999,11 172.499,11 172.999,11 173.499,11 173.999,11 174.499,11 174.999,11 175.499,11 175.999,11 176.499,11 176.999,11 177.499,11 177.999,11 178.499,11 178.999,11 179.499,11 179.999,11 180.499,11 180.999,11 181.499,11 181.999,11 182.499,11 187.499,11 187.999,11 188.499,11 188.999,11 147.749,11.5 148.249,11.5 148.749,11.5 149.249,11.5 149.749,11.5 150.249,11.5 150.749,11.5 151.249,11.5 151.749,11.5 152.249,11.5 152.749,11.5 153.249,11.5 153.749,11.5 154.249,11.5 154.749,11.5 155.249,11.5 155.749,11.5 157.249,11.5 157.749,11.5 158.249,11.5 158.749,11.5 159.249,11.5 159.749,11.5 160.249,11.5 160.749,11.5 161.249,11.5 161.749,11.5 162.249,11.5 162.749,11.5 163.249,11.5 163.749,11.5 164.249,11.5 164.749,11.5 165.249,11.5 165.749,11.5 166.249,11.5 166.749,11.5 167.249,11.5 167.749,11.5 168.249,11.5 168.749,11.5 169.249,11.5 169.749,11.5 170.249,11.5 170.749,11.5 171.249,11.5 171.749,11.5 172.249,11.5 172.749,11.5 173.249,11.5 173.749,11.5 174.249,11.5 174.749,11.5 175.249,11.5 175.749,11.5 176.249,11.5 176.749,11.5 177.249,11.5 177.749,11.5 178.249,11.5 181.249,11.5 181.749,11.5 186.749,11.5 187.249,11.5 187.749,11.5 188.249,11.5 188.749,11.5 189.249,11.5 147.499,12 147.999,12 148.499,12 148.999,12 149.499,12 149.999,12 150.499,12 150.999,12 151.499,12 151.999,12 152.499,12 152.999,12 153.499,12 153.999,12 154.499,12 154.999,12 155.499,12 156.999,12 157.499,12 157.999,12 158.499,12 158.999,12 159.499,12 159.999,12 160.499,12 160.999,12 161.499,12 161.999,12 162.499,12 162.999,12 163.499,12 163.999,12 164.499,12 164.999,12 165.499,12 165.999,12 166.499,12 166.999,12 167.499,12 167.999,12 168.499,12 168.999,12 169.499,12 169.999,12 170.499,12 170.999,12 171.499,12 171.999,12 172.499,12 172.999,12 173.499,12 173.999,12 174.499,12 174.999,12 175.499,12 175.999,12 176.499,12 176.999,12 177.499,12 177.999,12 181.499,12 186.499,12 186.999,12 187.499,12 187.999,12 188.499,12 188.999,12 147.749,12.5 148.249,12.5 148.749,12.5 149.249,12.5 149.749,12.5 150.249,12.5 150.749,12.5 151.249,12.5 151.749,12.5 152.249,12.5 152.749,12.5 153.249,12.5 153.749,12.5 154.249,12.5 154.749,12.5 155.249,12.5 155.749,12.5 157.249,12.5 157.749,12.5 158.249,12.5 158.749,12.5 159.249,12.5 159.749,12.5 160.249,12.5 160.749,12.5 161.249,12.5 161.749,12.5 162.249,12.5 162.749,12.5 163.249,12.5 163.749,12.5 164.249,12.5 164.749,12.5 165.249,12.5 165.749,12.5 166.249,12.5 166.749,12.5 167.249,12.5 167.749,12.5 168.249,12.5 168.749,12.5 169.249,12.5 169.749,12.5 170.249,12.5 170.749,12.5 171.249,12.5 171.749,12.5 172.249,12.5 172.749,12.5 173.249,12.5 173.749,12.5 174.249,12.5 174.749,12.5 175.249,12.5 175.749,12.5 176.249,12.5 176.749,12.5 177.249,12.5 177.749,12.5 178.249,12.5 181.249,12.5 181.749,12.5 186.249,12.5 186.749,12.5 187.249,12.5 187.749,12.5 188.249,12.5 188.749,12.5 189.249,12.5 147.499,13 147.999,13 148.499,13 148.999,13 149.499,13 149.999,13 150.499,13 150.999,13 151.499,13 151.999,13 152.499,13 152.999,13 153.499,13 153.999,13 154.499,13 154.999,13 155.499,13 156.999,13 157.499,13 157.999,13 158.499,13 158.999,13 159.499,13 159.999,13 160.499,13 160.999,13 161.499,13 161.999,13 162.499,13 162.999,13 163.499,13 163.999,13 164.499,13 164.999,13 165.499,13 165.999,13 166.499,13 166.999,13 167.499,13 167.999,13 168.499,13 168.999,13 169.499,13 169.999,13 170.499,13 170.999,13 171.499,13 171.999,13 172.499,13 172.999,13 173.499,13 173.999,13 174.499,13 174.999,13 175.499,13 175.999,13 176.499,13 176.999,13 177.499,13 177.999,13 181.499,13 181.999,13 182.499,13 182.999,13 183.499,13 183.999,13 184.499,13 184.999,13 185.999,13 186.499,13 186.999,13 187.499,13 187.999,13 188.499,13 188.999,13 147.749,13.5 148.249,13.5 148.749,13.5 149.249,13.5 149.749,13.5 150.249,13.5 150.749,13.5 151.249,13.5 151.749,13.5 152.249,13.5 152.749,13.5 153.249,13.5 153.749,13.5 154.249,13.5 154.749,13.5 155.249,13.5 155.749,13.5 157.249,13.5 157.749,13.5 158.249,13.5 158.749,13.5 159.249,13.5 159.749,13.5 160.249,13.5 160.749,13.5 161.249,13.5 161.749,13.5 162.249,13.5 162.749,13.5 163.249,13.5 163.749,13.5 164.249,13.5 164.749,13.5 165.249,13.5 165.749,13.5 166.249,13.5 166.749,13.5 167.249,13.5 167.749,13.5 168.249,13.5 168.749,13.5 169.249,13.5 169.749,13.5 170.249,13.5 170.749,13.5 171.249,13.5 171.749,13.5 172.249,13.5 172.749,13.5 173.249,13.5 173.749,13.5 174.249,13.5 174.749,13.5 175.249,13.5 175.749,13.5 176.249,13.5 176.749,13.5 177.249,13.5 177.749,13.5 178.249,13.5 181.249,13.5 181.749,13.5 182.249,13.5 182.749,13.5 183.249,13.5 183.749,13.5 184.249,13.5 184.749,13.5 186.249,13.5 186.749,13.5 187.249,13.5 187.749,13.5 188.249,13.5 188.749,13.5 189.249,13.5 147.499,14 147.999,14 148.499,14 148.999,14 149.499,14 149.999,14 150.499,14 150.999,14 151.499,14 151.999,14 152.499,14 152.999,14 153.499,14 153.999,14 154.499,14 154.999,14 155.499,14 156.999,14 157.499,14 157.999,14 158.499,14 158.999,14 159.499,14 159.999,14 160.499,14 160.999,14 161.499,14 161.999,14 162.499,14 162.999,14 163.499,14 163.999,14 173.499,14 174.999,14 175.499,14 175.999,14 176.499,14 176.999,14 177.499,14 177.999,14 178.499,14 178.999,14 180.499,14 180.999,14 181.499,14 181.999,14 182.499,14 182.999,14 183.499,14 183.999,14 184.499,14 184.999,14 185.999,14 186.499,14 186.999,14 187.499,14 187.999,14 188.499,14 188.999,14 172.647,14.323 147.749,14.5 148.249,14.5 148.749,14.5 149.249,14.5 149.749,14.5 150.249,14.5 150.749,14.5 151.249,14.5 151.749,14.5 152.249,14.5 152.749,14.5 153.249,14.5 153.749,14.5 154.249,14.5 154.749,14.5 155.249,14.5 155.749,14.5 157.249,14.5 157.749,14.5 158.249,14.5 158.749,14.5 159.249,14.5 159.749,14.5 160.249,14.5 160.749,14.5 161.249,14.5 161.749,14.5 162.249,14.5 162.749,14.5 163.249,14.5 163.749,14.5 175.249,14.5 175.749,14.5 176.249,14.5 176.749,14.5 177.249,14.5 177.749,14.5 178.249,14.5 178.749,14.5 180.249,14.5 180.749,14.5 181.249,14.5 181.749,14.5 182.249,14.5 182.749,14.5 183.249,14.5 183.749,14.5 184.249,14.5 184.749,14.5 186.249,14.5 186.749,14.5 187.249,14.5 187.749,14.5 188.249,14.5 188.749,14.5 189.249,14.5